# KiCad board Layer0.kicad_pcb (continued)
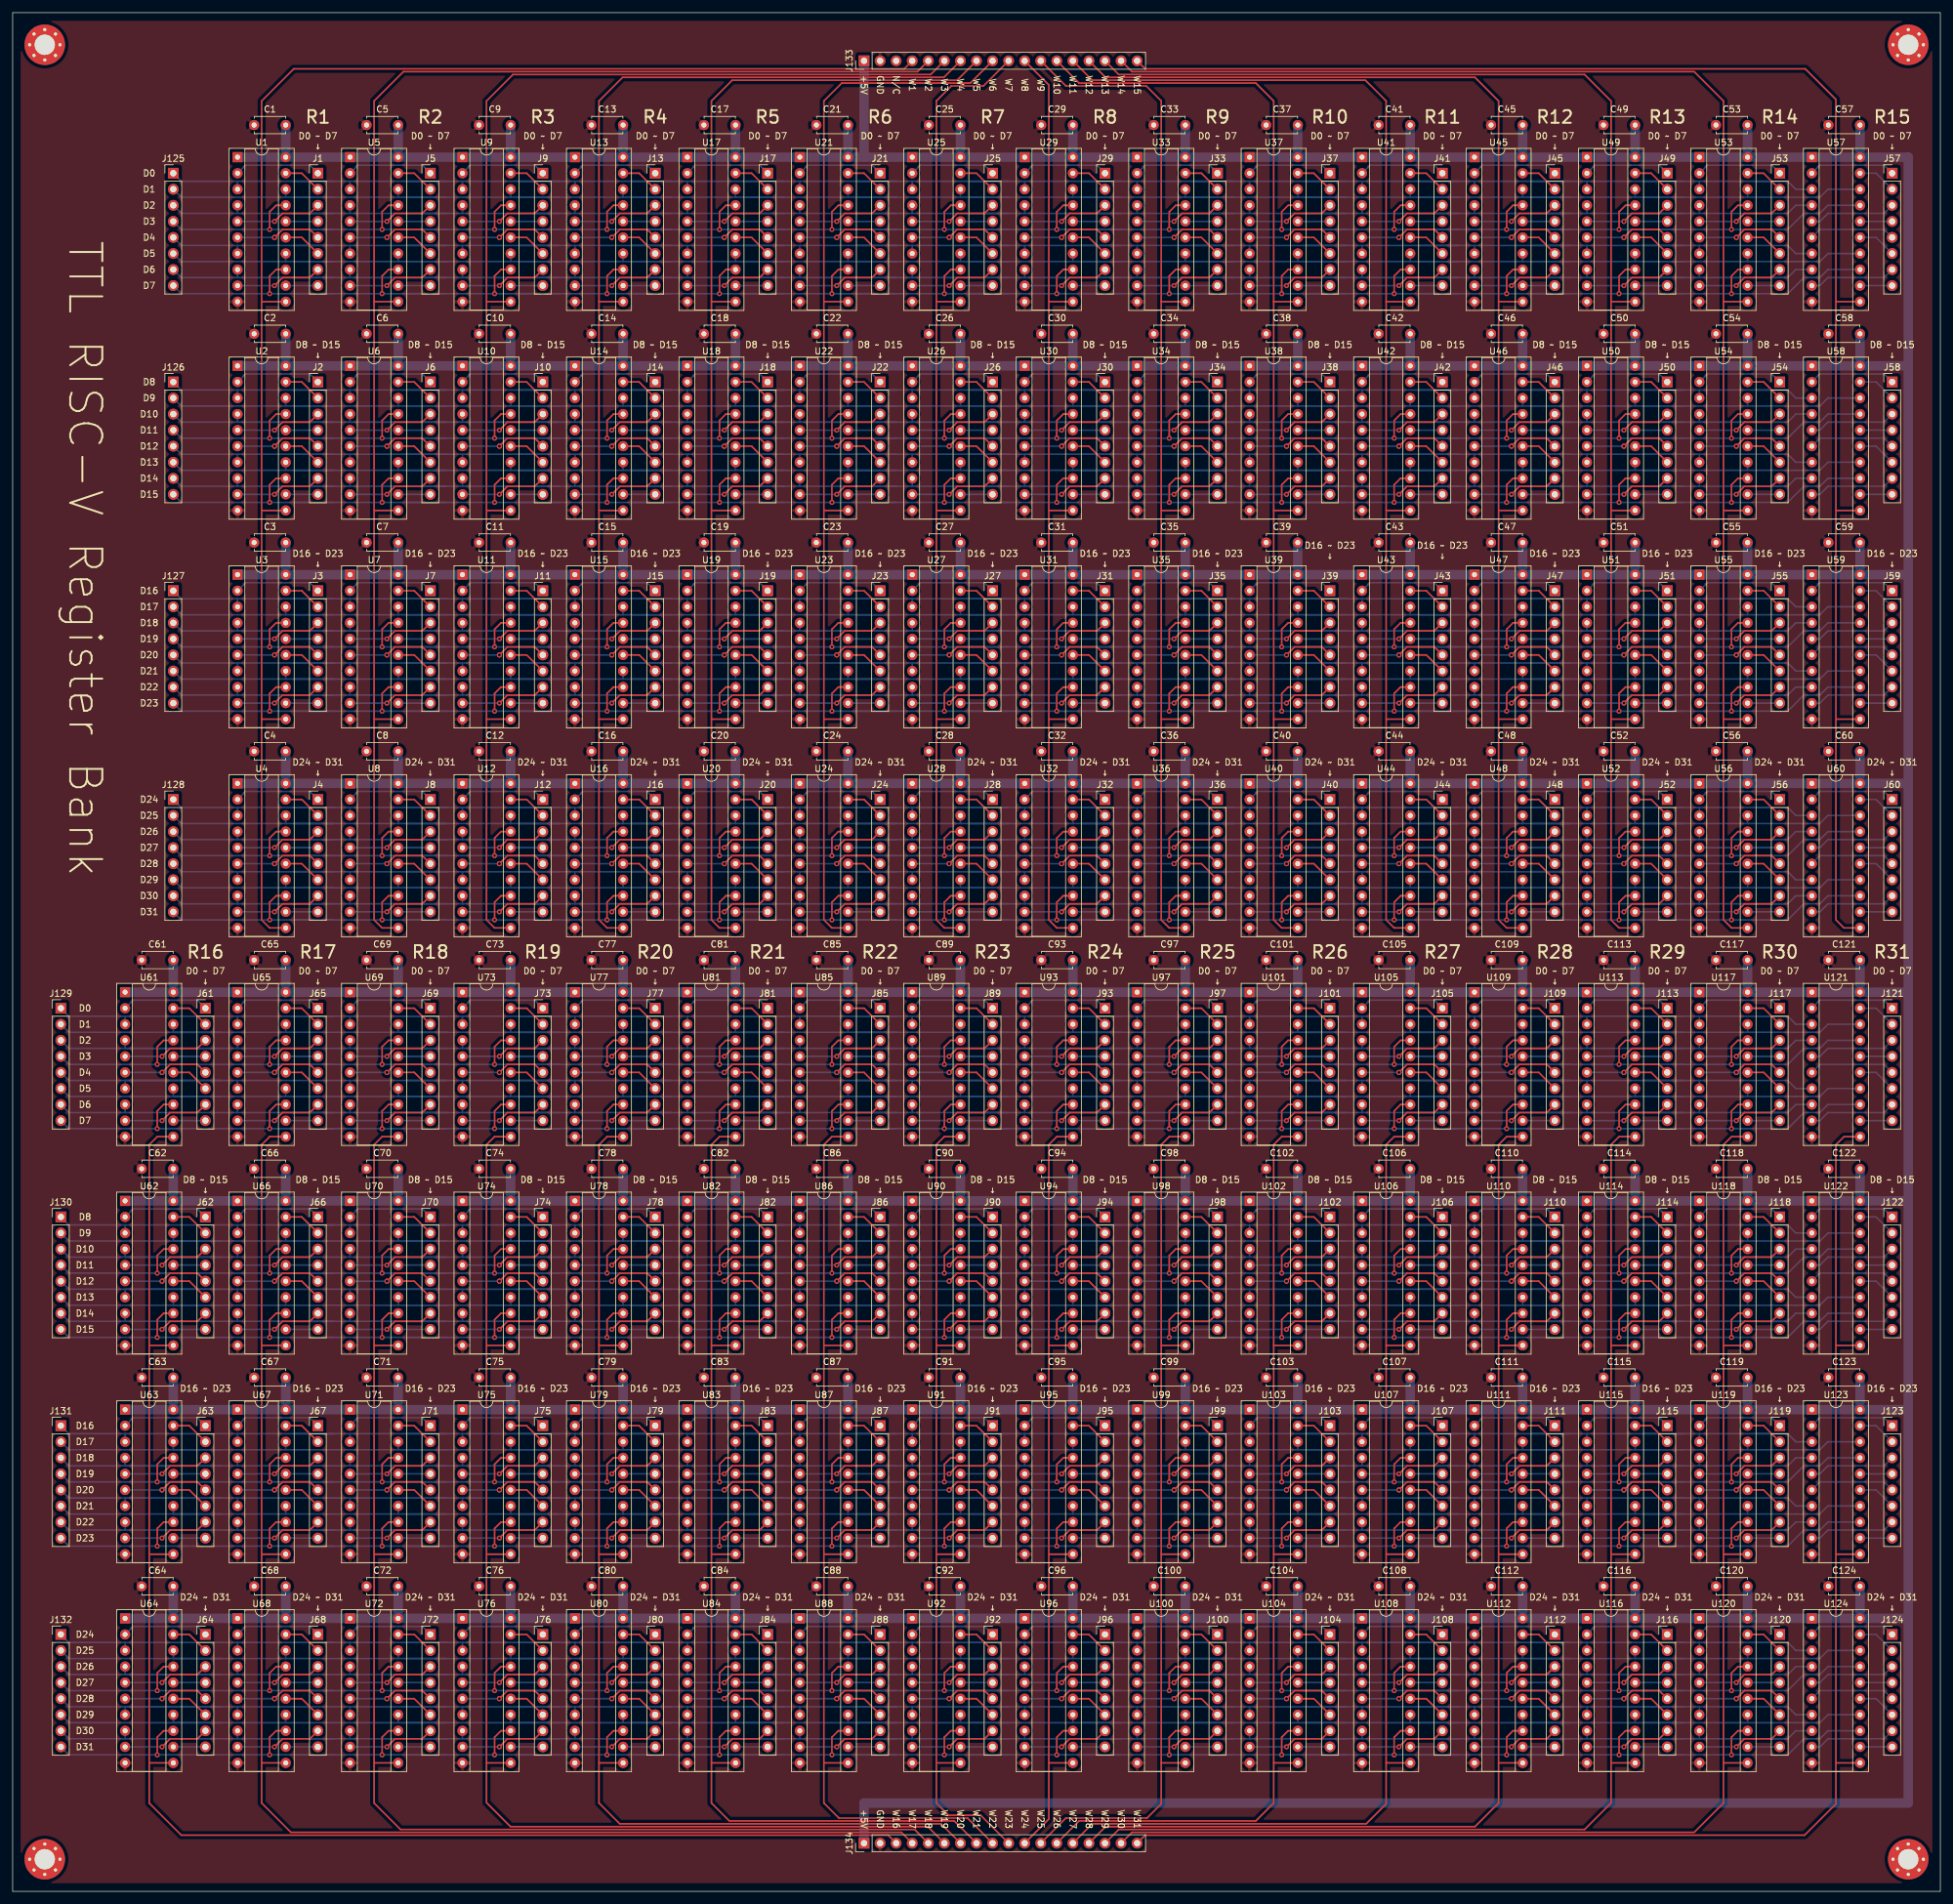
[diagram p0: board, top side]
## Placement (name value [footprint] x y rotation side) (continued)
U2  74LS273  [DIP-20_W7.62mm_Socket]  35.56 241.3 0 top
U3  74LS273  [DIP-20_W7.62mm_Socket]  35.56 208.28 0 top
U4  74LS273  [DIP-20_W7.62mm_Socket]  35.56 175.26 0 top
U5  74LS273  [DIP-20_W7.62mm_Socket]  53.34 274.32 0 top
U6  74LS273  [DIP-20_W7.62mm_Socket]  53.34 241.3 0 top
U7  74LS273  [DIP-20_W7.62mm_Socket]  53.34 208.28 0 top
U8  74LS273  [DIP-20_W7.62mm_Socket]  53.34 175.26 0 top
U9  74LS273  [DIP-20_W7.62mm_Socket]  71.12 274.32 0 top
U10  74LS273  [DIP-20_W7.62mm_Socket]  71.12 241.3 0 top
U11  74LS273  [DIP-20_W7.62mm_Socket]  71.12 208.28 0 top
U12  74LS273  [DIP-20_W7.62mm_Socket]  71.12 175.26 0 top
U13  74LS273  [DIP-20_W7.62mm_Socket]  88.9 274.32 0 top
U14  74LS273  [DIP-20_W7.62mm_Socket]  88.9 241.3 0 top
U15  74LS273  [DIP-20_W7.62mm_Socket]  88.9 208.28 0 top
U16  74LS273  [DIP-20_W7.62mm_Socket]  88.9 175.26 0 top
U17  74LS273  [DIP-20_W7.62mm_Socket]  106.68 274.32 0 top
U18  74LS273  [DIP-20_W7.62mm_Socket]  106.68 241.3 0 top
U19  74LS273  [DIP-20_W7.62mm_Socket]  106.68 208.28 0 top
U20  74LS273  [DIP-20_W7.62mm_Socket]  106.68 175.26 0 top
U21  74LS273  [DIP-20_W7.62mm_Socket]  124.46 274.32 0 top
U22  74LS273  [DIP-20_W7.62mm_Socket]  124.46 241.3 0 top
U23  74LS273  [DIP-20_W7.62mm_Socket]  124.46 208.28 0 top
U24  74LS273  [DIP-20_W7.62mm_Socket]  124.46 175.26 0 top
U25  74LS273  [DIP-20_W7.62mm_Socket]  142.24 274.32 0 top
U26  74LS273  [DIP-20_W7.62mm_Socket]  142.24 241.3 0 top
U27  74LS273  [DIP-20_W7.62mm_Socket]  142.24 208.28 0 top
U28  74LS273  [DIP-20_W7.62mm_Socket]  142.24 175.26 0 top
U29  74LS273  [DIP-20_W7.62mm_Socket]  160.02 274.32 0 top
U30  74LS273  [DIP-20_W7.62mm_Socket]  160.02 241.3 0 top
U31  74LS273  [DIP-20_W7.62mm_Socket]  160.02 208.28 0 top
U32  74LS273  [DIP-20_W7.62mm_Socket]  160.02 175.26 0 top
U33  74LS273  [DIP-20_W7.62mm_Socket]  177.8 274.32 0 top
U34  74LS273  [DIP-20_W7.62mm_Socket]  177.8 241.3 0 top
U35  74LS273  [DIP-20_W7.62mm_Socket]  177.8 208.28 0 top
U36  74LS273  [DIP-20_W7.62mm_Socket]  177.8 175.26 0 top
U37  74LS273  [DIP-20_W7.62mm_Socket]  195.58 274.32 0 top
U38  74LS273  [DIP-20_W7.62mm_Socket]  195.58 241.3 0 top
U39  74LS273  [DIP-20_W7.62mm_Socket]  195.58 208.28 0 top
U40  74LS273  [DIP-20_W7.62mm_Socket]  195.58 175.26 0 top
U41  74LS273  [DIP-20_W7.62mm_Socket]  213.36 274.32 0 top
U42  74LS273  [DIP-20_W7.62mm_Socket]  213.36 241.3 0 top
U43  74LS273  [DIP-20_W7.62mm_Socket]  213.36 208.28 0 top
U44  74LS273  [DIP-20_W7.62mm_Socket]  213.36 175.26 0 top
U45  74LS273  [DIP-20_W7.62mm_Socket]  231.14 274.32 0 top
U46  74LS273  [DIP-20_W7.62mm_Socket]  231.14 241.3 0 top
U47  74LS273  [DIP-20_W7.62mm_Socket]  231.14 208.28 0 top
U48  74LS273  [DIP-20_W7.62mm_Socket]  231.14 175.26 0 top
U49  74LS273  [DIP-20_W7.62mm_Socket]  248.92 274.32 0 top
U50  74LS273  [DIP-20_W7.62mm_Socket]  248.92 241.3 0 top
U51  74LS273  [DIP-20_W7.62mm_Socket]  248.92 208.28 0 top
U52  74LS273  [DIP-20_W7.62mm_Socket]  248.92 175.26 0 top
U53  74LS273  [DIP-20_W7.62mm_Socket]  266.7 274.32 0 top
U54  74LS273  [DIP-20_W7.62mm_Socket]  266.7 241.3 0 top
U55  74LS273  [DIP-20_W7.62mm_Socket]  266.7 208.28 0 top
U56  74LS273  [DIP-20_W7.62mm_Socket]  266.7 175.26 0 top
U57  74LS273  [DIP-20_W7.62mm_Socket]  284.48 274.32 0 top
U58  74LS273  [DIP-20_W7.62mm_Socket]  284.48 241.3 0 top
U59  74LS273  [DIP-20_W7.62mm_Socket]  284.48 208.28 0 top
U60  74LS273  [DIP-20_W7.62mm_Socket]  284.48 175.26 0 top
U61  74LS273  [DIP-20_W7.62mm_Socket]  17.78 142.24 0 top
U62  74LS273  [DIP-20_W7.62mm_Socket]  17.78 109.22 0 top
U63  74LS273  [DIP-20_W7.62mm_Socket]  17.78 76.2 0 top
U64  74LS273  [DIP-20_W7.62mm_Socket]  17.78 43.18 0 top
U65  74LS273  [DIP-20_W7.62mm_Socket]  35.56 142.24 0 top
U66  74LS273  [DIP-20_W7.62mm_Socket]  35.56 109.22 0 top
U67  74LS273  [DIP-20_W7.62mm_Socket]  35.56 76.2 0 top
U68  74LS273  [DIP-20_W7.62mm_Socket]  35.56 43.18 0 top
U69  74LS273  [DIP-20_W7.62mm_Socket]  53.34 142.24 0 top
U70  74LS273  [DIP-20_W7.62mm_Socket]  53.34 109.22 0 top
U71  74LS273  [DIP-20_W7.62mm_Socket]  53.34 76.2 0 top
U72  74LS273  [DIP-20_W7.62mm_Socket]  53.34 43.18 0 top
U73  74LS273  [DIP-20_W7.62mm_Socket]  71.12 142.24 0 top
U74  74LS273  [DIP-20_W7.62mm_Socket]  71.12 109.22 0 top
U75  74LS273  [DIP-20_W7.62mm_Socket]  71.12 76.2 0 top
U76  74LS273  [DIP-20_W7.62mm_Socket]  71.12 43.18 0 top
U77  74LS273  [DIP-20_W7.62mm_Socket]  88.9 142.24 0 top
U78  74LS273  [DIP-20_W7.62mm_Socket]  88.9 109.22 0 top
U79  74LS273  [DIP-20_W7.62mm_Socket]  88.9 76.2 0 top
U80  74LS273  [DIP-20_W7.62mm_Socket]  88.9 43.18 0 top
U81  74LS273  [DIP-20_W7.62mm_Socket]  106.68 142.24 0 top
U82  74LS273  [DIP-20_W7.62mm_Socket]  106.68 109.22 0 top
U83  74LS273  [DIP-20_W7.62mm_Socket]  106.68 76.2 0 top
U84  74LS273  [DIP-20_W7.62mm_Socket]  106.68 43.18 0 top
U85  74LS273  [DIP-20_W7.62mm_Socket]  124.46 142.24 0 top
U86  74LS273  [DIP-20_W7.62mm_Socket]  124.46 109.22 0 top
U87  74LS273  [DIP-20_W7.62mm_Socket]  124.46 76.2 0 top
U88  74LS273  [DIP-20_W7.62mm_Socket]  124.46 43.18 0 top
U89  74LS273  [DIP-20_W7.62mm_Socket]  142.24 142.24 0 top
U90  74LS273  [DIP-20_W7.62mm_Socket]  142.24 109.22 0 top
U91  74LS273  [DIP-20_W7.62mm_Socket]  142.24 76.2 0 top
U92  74LS273  [DIP-20_W7.62mm_Socket]  142.24 43.18 0 top
U93  74LS273  [DIP-20_W7.62mm_Socket]  160.02 142.24 0 top
U94  74LS273  [DIP-20_W7.62mm_Socket]  160.02 109.22 0 top
U95  74LS273  [DIP-20_W7.62mm_Socket]  160.02 76.2 0 top
U96  74LS273  [DIP-20_W7.62mm_Socket]  160.02 43.18 0 top
U97  74LS273  [DIP-20_W7.62mm_Socket]  177.8 142.24 0 top
U98  74LS273  [DIP-20_W7.62mm_Socket]  177.8 109.22 0 top
U99  74LS273  [DIP-20_W7.62mm_Socket]  177.8 76.2 0 top
U100  74LS273  [DIP-20_W7.62mm_Socket]  177.8 43.18 0 top
U101  74LS273  [DIP-20_W7.62mm_Socket]  195.58 142.24 0 top
U102  74LS273  [DIP-20_W7.62mm_Socket]  195.58 109.22 0 top
U103  74LS273  [DIP-20_W7.62mm_Socket]  195.58 76.2 0 top
U104  74LS273  [DIP-20_W7.62mm_Socket]  195.58 43.18 0 top
U105  74LS273  [DIP-20_W7.62mm_Socket]  213.36 142.24 0 top
U106  74LS273  [DIP-20_W7.62mm_Socket]  213.36 109.22 0 top
U107  74LS273  [DIP-20_W7.62mm_Socket]  213.36 76.2 0 top
U108  74LS273  [DIP-20_W7.62mm_Socket]  213.36 43.18 0 top
U109  74LS273  [DIP-20_W7.62mm_Socket]  231.14 142.24 0 top
U110  74LS273  [DIP-20_W7.62mm_Socket]  231.14 109.22 0 top
U111  74LS273  [DIP-20_W7.62mm_Socket]  231.14 76.2 0 top
U112  74LS273  [DIP-20_W7.62mm_Socket]  231.14 43.18 0 top
U113  74LS273  [DIP-20_W7.62mm_Socket]  248.92 142.24 0 top
U114  74LS273  [DIP-20_W7.62mm_Socket]  248.92 109.22 0 top
U115  74LS273  [DIP-20_W7.62mm_Socket]  248.92 76.2 0 top
U116  74LS273  [DIP-20_W7.62mm_Socket]  248.92 43.18 0 top
U117  74LS273  [DIP-20_W7.62mm_Socket]  266.7 142.24 0 top
U118  74LS273  [DIP-20_W7.62mm_Socket]  266.7 109.22 0 top
U119  74LS273  [DIP-20_W7.62mm_Socket]  266.7 76.2 0 top
U120  74LS273  [DIP-20_W7.62mm_Socket]  266.7 43.18 0 top
U121  74LS273  [DIP-20_W7.62mm_Socket]  284.48 142.24 0 top
U122  74LS273  [DIP-20_W7.62mm_Socket]  284.48 109.22 0 top
U123  74LS273  [DIP-20_W7.62mm_Socket]  284.48 76.2 0 top
U124  74LS273  [DIP-20_W7.62mm_Socket]  284.48 43.18 0 top

## Footprints (pads in the part's own frame, mm; a bottom-side part is the same pattern mirrored in y, then rotated)
C_Disc_D4.7mm_W2.5mm_P5.00mm
  round 1.6 hole 0.8: 1(0,0) 2(5,0)
DIP-20_W7.62mm_Socket
  rect 1.6x1.6 hole 0.8: 1(0,0)
  oval 1.6x1.6 hole 0.8: 2(0,-2.54) 3(0,-5.08) 4(0,-7.62) 5(0,-10.16) 6(0,-12.7) 7(0,-15.24) 8(0,-17.78) 9(0,-20.32) 10(0,-22.86) 11(7.62,-22.86) 12(7.62,-20.32) 13(7.62,-17.78) 14(7.62,-15.24) 15(7.62,-12.7) 16(7.62,-10.16) 17(7.62,-7.62) 18(7.62,-5.08) 19(7.62,-2.54) 20(7.62,0)
MountingHole_3.2mm_M3_Pad_Via
  round 0.8 hole 0.5: 1(-2.4,0) 1(-1.697,1.697) 1(-1.697,-1.697) 1(0,2.4) 1(0,-2.4) 1(1.697,1.697) 1(1.697,-1.697) 1(2.4,0)
  round 6.4 hole 3.2: 1(0,0)
PinHeader_1x08_P2.54mm_Vertical
  rect 1.7x1.7 hole 1: 1(0,0)
  oval 1.7x1.7 hole 1: 2(0,-2.54) 3(0,-5.08) 4(0,-7.62) 5(0,-10.16) 6(0,-12.7) 7(0,-15.24) 8(0,-17.78)
PinHeader_1x18_P2.54mm_Vertical
  rect 1.7x1.7 hole 1: 1(0,0)
  oval 1.7x1.7 hole 1: 2(0,-2.54) 3(0,-5.08) 4(0,-7.62) 5(0,-10.16) 6(0,-12.7) 7(0,-15.24) 8(0,-17.78) 9(0,-20.32) 10(0,-22.86) 11(0,-25.4) 12(0,-27.94) 13(0,-30.48) 14(0,-33.02) 15(0,-35.56) 16(0,-38.1) 17(0,-40.64) 18(0,-43.18)

## Nets
+5V: C1.2 C2.2 C3.2 C4.2 C5.2 C6.2 C7.2 C8.2 C9.2 C10.2 C11.2 C12.2 C13.2 C14.2 C15.2 C16.2 C17.2 C18.2 C19.2 C20.2 C21.2 C22.2 C23.2 C24.2 C25.2 C26.2 C27.2 C28.2 C29.2 C30.2 C31.2 C32.2 C33.2 C34.2 C35.2 C36.2 C37.2 C38.2 C39.2 C40.2 C41.2 C42.2 C43.2 C44.2 C45.2 C46.2 C47.2 C48.2 C49.2 C50.2 C51.2 C52.2 C53.2 C54.2 C55.2 C56.2 C57.2 C58.2 C59.2 C60.2 C61.2 C62.2 C63.2 C64.2 C65.2 C66.2 C67.2 C68.2 C69.2 C70.2 C71.2 C72.2 C73.2 C74.2 C75.2 C76.2 C77.2 C78.2 C79.2 C80.2 C81.2 C82.2 C83.2 C84.2 C85.2 C86.2 C87.2 C88.2 C89.2 C90.2 C91.2 C92.2 C93.2 C94.2 C95.2 C96.2 C97.2 C98.2 C99.2 C100.2 C101.2 C102.2 C103.2 C104.2 C105.2 C106.2 C107.2 C108.2 C109.2 C110.2 C111.2 C112.2 C113.2 C114.2 C115.2 C116.2 C117.2 C118.2 C119.2 C120.2 C121.2 C122.2 C123.2 C124.2 J133.1 J134.1 U1.1 U1.20 U2.1 U2.20 U3.1 U3.20 U4.1 U4.20 U5.1 U5.20 U6.1 U6.20 U7.1 U7.20 U8.1 U8.20 U9.1 U9.20 U10.1 U10.20 U11.1 U11.20 U12.1 U12.20 U13.1 U13.20 U14.1 U14.20 U15.1 U15.20 U16.1 U16.20 U17.1 U17.20 U18.1 U18.20 U19.1 U19.20 U20.1 U20.20 U21.1 U21.20 U22.1 U22.20 U23.1 U23.20 U24.1 U24.20 U25.1 U25.20 U26.1 U26.20 U27.1 U27.20 U28.1 U28.20 U29.1 U29.20 U30.1 U30.20 U31.1 U31.20 U32.1 U32.20 U33.1 U33.20 U34.1 U34.20 U35.1 U35.20 U36.1 U36.20 U37.1 U37.20 U38.1 U38.20 U39.1 U39.20 U40.1 U40.20 U41.1 U41.20 U42.1 U42.20 U43.1 U43.20 U44.1 U44.20 U45.1 U45.20 U46.1 U46.20 U47.1 U47.20 U48.1 U48.20 U49.1 U49.20 U50.1 U50.20 U51.1 U51.20 U52.1 U52.20 U53.1 U53.20 U54.1 U54.20 U55.1 U55.20 U56.1 U56.20 U57.1 U57.20 U58.1 U58.20 U59.1 U59.20 U60.1 U60.20 U61.1 U61.20 U62.1 U62.20 U63.1 U63.20 U64.1 U64.20 U65.1 U65.20 U66.1 U66.20 U67.1 U67.20 U68.1 U68.20 U69.1 U69.20 U70.1 U70.20 U71.1 U71.20 U72.1 U72.20 U73.1 U73.20 U74.1 U74.20 U75.1 U75.20 U76.1 U76.20 U77.1 U77.20 U78.1 U78.20 U79.1 U79.20 U80.1 U80.20 U81.1 U81.20 U82.1 U82.20 U83.1 U83.20 U84.1 U84.20 U85.1 U85.20 U86.1 U86.20 U87.1 U87.20 U88.1 U88.20 U89.1 U89.20 U90.1 U90.20 U91.1 U91.20 U92.1 U92.20 U93.1 U93.20 U94.1 U94.20 U95.1 U95.20 U96.1 U96.20 U97.1 U97.20 U98.1 U98.20 U99.1 U99.20 U100.1 U100.20 U101.1 U101.20 U102.1 U102.20 U103.1 U103.20 U104.1 U104.20 U105.1 U105.20 U106.1 U106.20 U107.1 U107.20 U108.1 U108.20 U109.1 U109.20 U110.1 U110.20 U111.1 U111.20 U112.1 U112.20 U113.1 U113.20 U114.1 U114.20 U115.1 U115.20 U116.1 U116.20 U117.1 U117.20 U118.1 U118.20 U119.1 U119.20 U120.1 U120.20 U121.1 U121.20 U122.1 U122.20 U123.1 U123.20 U124.1 U124.20
GND: C1.1 C2.1 C3.1 C4.1 C5.1 C6.1 C7.1 C8.1 C9.1 C10.1 C11.1 C12.1 C13.1 C14.1 C15.1 C16.1 C17.1 C18.1 C19.1 C20.1 C21.1 C22.1 C23.1 C24.1 C25.1 C26.1 C27.1 C28.1 C29.1 C30.1 C31.1 C32.1 C33.1 C34.1 C35.1 C36.1 C37.1 C38.1 C39.1 C40.1 C41.1 C42.1 C43.1 C44.1 C45.1 C46.1 C47.1 C48.1 C49.1 C50.1 C51.1 C52.1 C53.1 C54.1 C55.1 C56.1 C57.1 C58.1 C59.1 C60.1 C61.1 C62.1 C63.1 C64.1 C65.1 C66.1 C67.1 C68.1 C69.1 C70.1 C71.1 C72.1 C73.1 C74.1 C75.1 C76.1 C77.1 C78.1 C79.1 C80.1 C81.1 C82.1 C83.1 C84.1 C85.1 C86.1 C87.1 C88.1 C89.1 C90.1 C91.1 C92.1 C93.1 C94.1 C95.1 C96.1 C97.1 C98.1 C99.1 C100.1 C101.1 C102.1 C103.1 C104.1 C105.1 C106.1 C107.1 C108.1 C109.1 C110.1 C111.1 C112.1 C113.1 C114.1 C115.1 C116.1 C117.1 C118.1 C119.1 C120.1 C121.1 C122.1 C123.1 C124.1 J133.2 J134.2 U1.10 U2.10 U3.10 U4.10 U5.10 U6.10 U7.10 U8.10 U9.10 U10.10 U11.10 U12.10 U13.10 U14.10 U15.10 U16.10 U17.10 U18.10 U19.10 U20.10 U21.10 U22.10 U23.10 U24.10 U25.10 U26.10 U27.10 U28.10 U29.10 U30.10 U31.10 U32.10 U33.10 U34.10 U35.10 U36.10 U37.10 U38.10 U39.10 U40.10 U41.10 U42.10 U43.10 U44.10 U45.10 U46.10 U47.10 U48.10 U49.10 U50.10 U51.10 U52.10 U53.10 U54.10 U55.10 U56.10 U57.10 U58.10 U59.10 U60.10 U61.10 U62.10 U63.10 U64.10 U65.10 U66.10 U67.10 U68.10 U69.10 U70.10 U71.10 U72.10 U73.10 U74.10 U75.10 U76.10 U77.10 U78.10 U79.10 U80.10 U81.10 U82.10 U83.10 U84.10 U85.10 U86.10 U87.10 U88.10 U89.10 U90.10 U91.10 U92.10 U93.10 U94.10 U95.10 U96.10 U97.10 U98.10 U99.10 U100.10 U101.10 U102.10 U103.10 U104.10 U105.10 U106.10 U107.10 U108.10 U109.10 U110.10 U111.10 U112.10 U113.10 U114.10 U115.10 U116.10 U117.10 U118.10 U119.10 U120.10 U121.10 U122.10 U123.10 U124.10
/D_W0_0: J125.1 U1.3 U5.3 U9.3 U13.3 U17.3 U21.3 U25.3 U29.3 U33.3 U37.3 U41.3 U45.3 U49.3 U53.3 U57.3
/D_W0_1: J125.2 U1.18 U5.18 U9.18 U13.18 U17.18 U21.18 U25.18 U29.18 U33.18 U37.18 U41.18 U45.18 U49.18 U53.18 U57.18
/D_W0_2: J125.3 U1.4 U5.4 U9.4 U13.4 U17.4 U21.4 U25.4 U29.4 U33.4 U37.4 U41.4 U45.4 U49.4 U53.4 U57.4
/D_W0_3: J125.4 U1.17 U5.17 U9.17 U13.17 U17.17 U21.17 U25.17 U29.17 U33.17 U37.17 U41.17 U45.17 U49.17 U53.17 U57.17
/D_W0_4: J125.5 U1.7 U5.7 U9.7 U13.7 U17.7 U21.7 U25.7 U29.7 U33.7 U37.7 U41.7 U45.7 U49.7 U53.7 U57.7
/D_W0_5: J125.6 U1.14 U5.14 U9.14 U13.14 U17.14 U21.14 U25.14 U29.14 U33.14 U37.14 U41.14 U45.14 U49.14 U53.14 U57.14
/D_W0_6: J125.7 U1.8 U5.8 U9.8 U13.8 U17.8 U21.8 U25.8 U29.8 U33.8 U37.8 U41.8 U45.8 U49.8 U53.8 U57.8
/D_W0_7: J125.8 U1.13 U5.13 U9.13 U13.13 U17.13 U21.13 U25.13 U29.13 U33.13 U37.13 U41.13 U45.13 U49.13 U53.13 U57.13
/D_W1_0: J126.1 U2.3 U6.3 U10.3 U14.3 U18.3 U22.3 U26.3 U30.3 U34.3 U38.3 U42.3 U46.3 U50.3 U54.3 U58.3
/D_W1_1: J126.2 U2.18 U6.18 U10.18 U14.18 U18.18 U22.18 U26.18 U30.18 U34.18 U38.18 U42.18 U46.18 U50.18 U54.18 U58.18
/D_W1_2: J126.3 U2.4 U6.4 U10.4 U14.4 U18.4 U22.4 U26.4 U30.4 U34.4 U38.4 U42.4 U46.4 U50.4 U54.4 U58.4
/D_W1_3: J126.4 U2.17 U6.17 U10.17 U14.17 U18.17 U22.17 U26.17 U30.17 U34.17 U38.17 U42.17 U46.17 U50.17 U54.17 U58.17
/D_W1_4: J126.5 U2.7 U6.7 U10.7 U14.7 U18.7 U22.7 U26.7 U30.7 U34.7 U38.7 U42.7 U46.7 U50.7 U54.7 U58.7
/D_W1_5: J126.6 U2.14 U6.14 U10.14 U14.14 U18.14 U22.14 U26.14 U30.14 U34.14 U38.14 U42.14 U46.14 U50.14 U54.14 U58.14
/D_W1_6: J126.7 U2.8 U6.8 U10.8 U14.8 U18.8 U22.8 U26.8 U30.8 U34.8 U38.8 U42.8 U46.8 U50.8 U54.8 U58.8
/D_W1_7: J126.8 U2.13 U6.13 U10.13 U14.13 U18.13 U22.13 U26.13 U30.13 U34.13 U38.13 U42.13 U46.13 U50.13 U54.13 U58.13
/D_W2_0: J127.1 U3.3 U7.3 U11.3 U15.3 U19.3 U23.3 U27.3 U31.3 U35.3 U39.3 U43.3 U47.3 U51.3 U55.3 U59.3
/D_W2_1: J127.2 U3.18 U7.18 U11.18 U15.18 U19.18 U23.18 U27.18 U31.18 U35.18 U39.18 U43.18 U47.18 U51.18 U55.18 U59.18
/D_W2_2: J127.3 U3.4 U7.4 U11.4 U15.4 U19.4 U23.4 U27.4 U31.4 U35.4 U39.4 U43.4 U47.4 U51.4 U55.4 U59.4
/D_W2_3: J127.4 U3.17 U7.17 U11.17 U15.17 U19.17 U23.17 U27.17 U31.17 U35.17 U39.17 U43.17 U47.17 U51.17 U55.17 U59.17
/D_W2_4: J127.5 U3.7 U7.7 U11.7 U15.7 U19.7 U23.7 U27.7 U31.7 U35.7 U39.7 U43.7 U47.7 U51.7 U55.7 U59.7
/D_W2_5: J127.6 U3.14 U7.14 U11.14 U15.14 U19.14 U23.14 U27.14 U31.14 U35.14 U39.14 U43.14 U47.14 U51.14 U55.14 U59.14
/D_W2_6: J127.7 U3.8 U7.8 U11.8 U15.8 U19.8 U23.8 U27.8 U31.8 U35.8 U39.8 U43.8 U47.8 U51.8 U55.8 U59.8
/D_W2_7: J127.8 U3.13 U7.13 U11.13 U15.13 U19.13 U23.13 U27.13 U31.13 U35.13 U39.13 U43.13 U47.13 U51.13 U55.13 U59.13
/D_W3_0: J128.1 U4.3 U8.3 U12.3 U16.3 U20.3 U24.3 U28.3 U32.3 U36.3 U40.3 U44.3 U48.3 U52.3 U56.3 U60.3
/D_W3_1: J128.2 U4.18 U8.18 U12.18 U16.18 U20.18 U24.18 U28.18 U32.18 U36.18 U40.18 U44.18 U48.18 U52.18 U56.18 U60.18
/D_W3_2: J128.3 U4.4 U8.4 U12.4 U16.4 U20.4 U24.4 U28.4 U32.4 U36.4 U40.4 U44.4 U48.4 U52.4 U56.4 U60.4
/D_W3_3: J128.4 U4.17 U8.17 U12.17 U16.17 U20.17 U24.17 U28.17 U32.17 U36.17 U40.17 U44.17 U48.17 U52.17 U56.17 U60.17
/D_W3_4: J128.5 U4.7 U8.7 U12.7 U16.7 U20.7 U24.7 U28.7 U32.7 U36.7 U40.7 U44.7 U48.7 U52.7 U56.7 U60.7
/D_W3_5: J128.6 U4.14 U8.14 U12.14 U16.14 U20.14 U24.14 U28.14 U32.14 U36.14 U40.14 U44.14 U48.14 U52.14 U56.14 U60.14
/D_W3_6: J128.7 U4.8 U8.8 U12.8 U16.8 U20.8 U24.8 U28.8 U32.8 U36.8 U40.8 U44.8 U48.8 U52.8 U56.8 U60.8
/D_W3_7: J128.8 U4.13 U8.13 U12.13 U16.13 U20.13 U24.13 U28.13 U32.13 U36.13 U40.13 U44.13 U48.13 U52.13 U56.13 U60.13
/D_W4_0: J129.1 U61.3 U65.3 U69.3 U73.3 U77.3 U81.3 U85.3 U89.3 U93.3 U97.3 U101.3 U105.3 U109.3 U113.3 U117.3 U121.3
/D_W4_1: J129.2 U61.18 U65.18 U69.18 U73.18 U77.18 U81.18 U85.18 U89.18 U93.18 U97.18 U101.18 U105.18 U109.18 U113.18 U117.18 U121.18
/D_W4_2: J129.3 U61.4 U65.4 U69.4 U73.4 U77.4 U81.4 U85.4 U89.4 U93.4 U97.4 U101.4 U105.4 U109.4 U113.4 U117.4 U121.4
/D_W4_3: J129.4 U61.17 U65.17 U69.17 U73.17 U77.17 U81.17 U85.17 U89.17 U93.17 U97.17 U101.17 U105.17 U109.17 U113.17 U117.17 U121.17
/D_W4_4: J129.5 U61.7 U65.7 U69.7 U73.7 U77.7 U81.7 U85.7 U89.7 U93.7 U97.7 U101.7 U105.7 U109.7 U113.7 U117.7 U121.7
/D_W4_5: J129.6 U61.14 U65.14 U69.14 U73.14 U77.14 U81.14 U85.14 U89.14 U93.14 U97.14 U101.14 U105.14 U109.14 U113.14 U117.14 U121.14
/D_W4_6: J129.7 U61.8 U65.8 U69.8 U73.8 U77.8 U81.8 U85.8 U89.8 U93.8 U97.8 U101.8 U105.8 U109.8 U113.8 U117.8 U121.8
/D_W4_7: J129.8 U61.13 U65.13 U69.13 U73.13 U77.13 U81.13 U85.13 U89.13 U93.13 U97.13 U101.13 U105.13 U109.13 U113.13 U117.13 U121.13
/D_W5_0: J130.1 U62.3 U66.3 U70.3 U74.3 U78.3 U82.3 U86.3 U90.3 U94.3 U98.3 U102.3 U106.3 U110.3 U114.3 U118.3 U122.3
/D_W5_1: J130.2 U62.18 U66.18 U70.18 U74.18 U78.18 U82.18 U86.18 U90.18 U94.18 U98.18 U102.18 U106.18 U110.18 U114.18 U118.18 U122.18
/D_W5_2: J130.3 U62.4 U66.4 U70.4 U74.4 U78.4 U82.4 U86.4 U90.4 U94.4 U98.4 U102.4 U106.4 U110.4 U114.4 U118.4 U122.4
/D_W5_3: J130.4 U62.17 U66.17 U70.17 U74.17 U78.17 U82.17 U86.17 U90.17 U94.17 U98.17 U102.17 U106.17 U110.17 U114.17 U118.17 U122.17
/D_W5_4: J130.5 U62.7 U66.7 U70.7 U74.7 U78.7 U82.7 U86.7 U90.7 U94.7 U98.7 U102.7 U106.7 U110.7 U114.7 U118.7 U122.7
/D_W5_5: J130.6 U62.14 U66.14 U70.14 U74.14 U78.14 U82.14 U86.14 U90.14 U94.14 U98.14 U102.14 U106.14 U110.14 U114.14 U118.14 U122.14
/D_W5_6: J130.7 U62.8 U66.8 U70.8 U74.8 U78.8 U82.8 U86.8 U90.8 U94.8 U98.8 U102.8 U106.8 U110.8 U114.8 U118.8 U122.8
/D_W5_7: J130.8 U62.13 U66.13 U70.13 U74.13 U78.13 U82.13 U86.13 U90.13 U94.13 U98.13 U102.13 U106.13 U110.13 U114.13 U118.13 U122.13
/D_W6_0: J131.1 U63.3 U67.3 U71.3 U75.3 U79.3 U83.3 U87.3 U91.3 U95.3 U99.3 U103.3 U107.3 U111.3 U115.3 U119.3 U123.3
/D_W6_1: J131.2 U63.18 U67.18 U71.18 U75.18 U79.18 U83.18 U87.18 U91.18 U95.18 U99.18 U103.18 U107.18 U111.18 U115.18 U119.18 U123.18
/D_W6_2: J131.3 U63.4 U67.4 U71.4 U75.4 U79.4 U83.4 U87.4 U91.4 U95.4 U99.4 U103.4 U107.4 U111.4 U115.4 U119.4 U123.4
/D_W6_3: J131.4 U63.17 U67.17 U71.17 U75.17 U79.17 U83.17 U87.17 U91.17 U95.17 U99.17 U103.17 U107.17 U111.17 U115.17 U119.17 U123.17
/D_W6_4: J131.5 U63.7 U67.7 U71.7 U75.7 U79.7 U83.7 U87.7 U91.7 U95.7 U99.7 U103.7 U107.7 U111.7 U115.7 U119.7 U123.7
/D_W6_5: J131.6 U63.14 U67.14 U71.14 U75.14 U79.14 U83.14 U87.14 U91.14 U95.14 U99.14 U103.14 U107.14 U111.14 U115.14 U119.14 U123.14
/D_W6_6: J131.7 U63.8 U67.8 U71.8 U75.8 U79.8 U83.8 U87.8 U91.8 U95.8 U99.8 U103.8 U107.8 U111.8 U115.8 U119.8 U123.8
/D_W6_7: J131.8 U63.13 U67.13 U71.13 U75.13 U79.13 U83.13 U87.13 U91.13 U95.13 U99.13 U103.13 U107.13 U111.13 U115.13 U119.13 U123.13
/D_W7_0: J132.1 U64.3 U68.3 U72.3 U76.3 U80.3 U84.3 U88.3 U92.3 U96.3 U100.3 U104.3 U108.3 U112.3 U116.3 U120.3 U124.3
/D_W7_1: J132.2 U64.18 U68.18 U72.18 U76.18 U80.18 U84.18 U88.18 U92.18 U96.18 U100.18 U104.18 U108.18 U112.18 U116.18 U120.18 U124.18
/D_W7_2: J132.3 U64.4 U68.4 U72.4 U76.4 U80.4 U84.4 U88.4 U92.4 U96.4 U100.4 U104.4 U108.4 U112.4 U116.4 U120.4 U124.4
/D_W7_3: J132.4 U64.17 U68.17 U72.17 U76.17 U80.17 U84.17 U88.17 U92.17 U96.17 U100.17 U104.17 U108.17 U112.17 U116.17 U120.17 U124.17
/D_W7_4: J132.5 U64.7 U68.7 U72.7 U76.7 U80.7 U84.7 U88.7 U92.7 U96.7 U100.7 U104.7 U108.7 U112.7 U116.7 U120.7 U124.7
/D_W7_5: J132.6 U64.14 U68.14 U72.14 U76.14 U80.14 U84.14 U88.14 U92.14 U96.14 U100.14 U104.14 U108.14 U112.14 U116.14 U120.14 U124.14
/D_W7_6: J132.7 U64.8 U68.8 U72.8 U76.8 U80.8 U84.8 U88.8 U92.8 U96.8 U100.8 U104.8 U108.8 U112.8 U116.8 U120.8 U124.8
/D_W7_7: J132.8 U64.13 U68.13 U72.13 U76.13 U80.13 U84.13 U88.13 U92.13 U96.13 U100.13 U104.13 U108.13 U112.13 U116.13 U120.13 U124.13
/WR_1: J133.4 U1.11 U2.11 U3.11 U4.11
/WR_2: J133.5 U5.11 U6.11 U7.11 U8.11
/WR_3: J133.6 U9.11 U10.11 U11.11 U12.11
/WR_4: J133.7 U13.11 U14.11 U15.11 U16.11
/WR_5: J133.8 U17.11 U18.11 U19.11 U20.11
/WR_6: J133.9 U21.11 U22.11 U23.11 U24.11
/WR_7: J133.10 U25.11 U26.11 U27.11 U28.11
/WR_8: J133.11 U29.11 U30.11 U31.11 U32.11
/WR_9: J133.12 U33.11 U34.11 U35.11 U36.11
/WR_10: J133.13 U37.11 U38.11 U39.11 U40.11
/WR_11: J133.14 U41.11 U42.11 U43.11 U44.11
/WR_12: J133.15 U45.11 U46.11 U47.11 U48.11
/WR_13: J133.16 U49.11 U50.11 U51.11 U52.11
/WR_14: J133.17 U53.11 U54.11 U55.11 U56.11
/WR_15: J133.18 U57.11 U58.11 U59.11 U60.11
/WR_16: J134.3 U61.11 U62.11 U63.11 U64.11
/WR_17: J134.4 U65.11 U66.11 U67.11 U68.11
/WR_18: J134.5 U69.11 U70.11 U71.11 U72.11
/WR_19: J134.6 U73.11 U74.11 U75.11 U76.11
/WR_20: J134.7 U77.11 U78.11 U79.11 U80.11
/WR_21: J134.8 U81.11 U82.11 U83.11 U84.11
/WR_22: J134.9 U85.11 U86.11 U87.11 U88.11
/WR_23: J134.10 U89.11 U90.11 U91.11 U92.11
/WR_24: J134.11 U93.11 U94.11 U95.11 U96.11
/WR_25: J134.12 U97.11 U98.11 U99.11 U100.11
/WR_26: J134.13 U101.11 U102.11 U103.11 U104.11
/WR_27: J134.14 U105.11 U106.11 U107.11 U108.11
/WR_28: J134.15 U109.11 U110.11 U111.11 U112.11
/WR_29: J134.16 U113.11 U114.11 U115.11 U116.11
/WR_30: J134.17 U117.11 U118.11 U119.11 U120.11
/WR_31: J134.18 U121.11 U122.11 U123.11 U124.11
Net-(J1-Pad1): J1.1 U1.2
Net-(J1-Pad2): J1.2 U1.19
Net-(J1-Pad3): J1.3 U1.5
Net-(J1-Pad4): J1.4 U1.16
Net-(J1-Pad5): J1.5 U1.6
Net-(J1-Pad6): J1.6 U1.15
Net-(J1-Pad7): J1.7 U1.9
Net-(J1-Pad8): J1.8 U1.12
Net-(J2-Pad1): J2.1 U2.2
Net-(J2-Pad2): J2.2 U2.19
Net-(J2-Pad3): J2.3 U2.5
Net-(J2-Pad4): J2.4 U2.16
Net-(J2-Pad5): J2.5 U2.6
Net-(J2-Pad6): J2.6 U2.15
Net-(J2-Pad7): J2.7 U2.9
Net-(J2-Pad8): J2.8 U2.12
Net-(J3-Pad1): J3.1 U3.2
Net-(J3-Pad2): J3.2 U3.19
Net-(J3-Pad3): J3.3 U3.5
Net-(J3-Pad4): J3.4 U3.16
Net-(J3-Pad5): J3.5 U3.6
Net-(J3-Pad6): J3.6 U3.15
Net-(J3-Pad7): J3.7 U3.9
Net-(J3-Pad8): J3.8 U3.12
Net-(J4-Pad1): J4.1 U4.2
Net-(J4-Pad2): J4.2 U4.19
Net-(J4-Pad3): J4.3 U4.5
Net-(J4-Pad4): J4.4 U4.16
Net-(J4-Pad5): J4.5 U4.6
Net-(J4-Pad6): J4.6 U4.15
Net-(J4-Pad7): J4.7 U4.9
Net-(J4-Pad8): J4.8 U4.12
Net-(J5-Pad1): J5.1 U5.2
Net-(J5-Pad2): J5.2 U5.19
Net-(J5-Pad3): J5.3 U5.5
Net-(J5-Pad4): J5.4 U5.16
Net-(J5-Pad5): J5.5 U5.6
Net-(J5-Pad6): J5.6 U5.15
Net-(J5-Pad7): J5.7 U5.9
Net-(J5-Pad8): J5.8 U5.12
Net-(J6-Pad1): J6.1 U6.2
Net-(J6-Pad2): J6.2 U6.19
Net-(J6-Pad3): J6.3 U6.5
Net-(J6-Pad4): J6.4 U6.16
Net-(J6-Pad5): J6.5 U6.6
Net-(J6-Pad6): J6.6 U6.15
Net-(J6-Pad7): J6.7 U6.9
Net-(J6-Pad8): J6.8 U6.12
Net-(J7-Pad1): J7.1 U7.2
Net-(J7-Pad2): J7.2 U7.19
Net-(J7-Pad3): J7.3 U7.5
Net-(J7-Pad4): J7.4 U7.16
Net-(J7-Pad5): J7.5 U7.6
Net-(J7-Pad6): J7.6 U7.15
Net-(J7-Pad7): J7.7 U7.9
Net-(J7-Pad8): J7.8 U7.12
Net-(J8-Pad1): J8.1 U8.2
Net-(J8-Pad2): J8.2 U8.19
Net-(J8-Pad3): J8.3 U8.5
Net-(J8-Pad4): J8.4 U8.16
Net-(J8-Pad5): J8.5 U8.6
Net-(J8-Pad6): J8.6 U8.15
Net-(J8-Pad7): J8.7 U8.9
Net-(J8-Pad8): J8.8 U8.12
Net-(J9-Pad1): J9.1 U9.2
Net-(J9-Pad2): J9.2 U9.19
Net-(J9-Pad3): J9.3 U9.5
Net-(J9-Pad4): J9.4 U9.16
Net-(J9-Pad5): J9.5 U9.6
Net-(J9-Pad6): J9.6 U9.15
Net-(J9-Pad7): J9.7 U9.9
Net-(J9-Pad8): J9.8 U9.12
Net-(J10-Pad1): J10.1 U10.2
Net-(J10-Pad2): J10.2 U10.19
Net-(J10-Pad3): J10.3 U10.5
Net-(J10-Pad4): J10.4 U10.16
Net-(J10-Pad5): J10.5 U10.6
Net-(J10-Pad6): J10.6 U10.15
Net-(J10-Pad7): J10.7 U10.9
Net-(J10-Pad8): J10.8 U10.12
Net-(J11-Pad1): J11.1 U11.2
Net-(J11-Pad2): J11.2 U11.19
Net-(J11-Pad3): J11.3 U11.5
Net-(J11-Pad4): J11.4 U11.16
Net-(J11-Pad5): J11.5 U11.6
Net-(J11-Pad6): J11.6 U11.15
Net-(J11-Pad7): J11.7 U11.9
Net-(J11-Pad8): J11.8 U11.12
Net-(J12-Pad1): J12.1 U12.2
Net-(J12-Pad2): J12.2 U12.19
Net-(J12-Pad3): J12.3 U12.5
Net-(J12-Pad4): J12.4 U12.16
Net-(J12-Pad5): J12.5 U12.6
Net-(J12-Pad6): J12.6 U12.15
Net-(J12-Pad7): J12.7 U12.9
Net-(J12-Pad8): J12.8 U12.12
Net-(J13-Pad1): J13.1 U13.2
Net-(J13-Pad2): J13.2 U13.19
Net-(J13-Pad3): J13.3 U13.5
Net-(J13-Pad4): J13.4 U13.16
Net-(J13-Pad5): J13.5 U13.6
Net-(J13-Pad6): J13.6 U13.15
Net-(J13-Pad7): J13.7 U13.9
Net-(J13-Pad8): J13.8 U13.12
Net-(J14-Pad1): J14.1 U14.2
Net-(J14-Pad2): J14.2 U14.19
Net-(J14-Pad3): J14.3 U14.5
Net-(J14-Pad4): J14.4 U14.16
Net-(J14-Pad5): J14.5 U14.6
Net-(J14-Pad6): J14.6 U14.15
Net-(J14-Pad7): J14.7 U14.9
Net-(J14-Pad8): J14.8 U14.12
Net-(J15-Pad1): J15.1 U15.2
Net-(J15-Pad2): J15.2 U15.19
Net-(J15-Pad3): J15.3 U15.5
Net-(J15-Pad4): J15.4 U15.16
Net-(J15-Pad5): J15.5 U15.6
Net-(J15-Pad6): J15.6 U15.15
Net-(J15-Pad7): J15.7 U15.9
Net-(J15-Pad8): J15.8 U15.12
Net-(J16-Pad1): J16.1 U16.2
Net-(J16-Pad2): J16.2 U16.19
Net-(J16-Pad3): J16.3 U16.5
Net-(J16-Pad4): J16.4 U16.16
Net-(J16-Pad5): J16.5 U16.6
Net-(J16-Pad6): J16.6 U16.15
Net-(J16-Pad7): J16.7 U16.9
Net-(J16-Pad8): J16.8 U16.12
Net-(J17-Pad1): J17.1 U17.2
Net-(J17-Pad2): J17.2 U17.19
Net-(J17-Pad3): J17.3 U17.5
Net-(J17-Pad4): J17.4 U17.16
Net-(J17-Pad5): J17.5 U17.6
Net-(J17-Pad6): J17.6 U17.15
Net-(J17-Pad7): J17.7 U17.9
Net-(J17-Pad8): J17.8 U17.12
Net-(J18-Pad1): J18.1 U18.2
Net-(J18-Pad2): J18.2 U18.19
Net-(J18-Pad3): J18.3 U18.5
Net-(J18-Pad4): J18.4 U18.16
Net-(J18-Pad5): J18.5 U18.6
Net-(J18-Pad6): J18.6 U18.15
Net-(J18-Pad7): J18.7 U18.9
Net-(J18-Pad8): J18.8 U18.12
Net-(J19-Pad1): J19.1 U19.2
Net-(J19-Pad2): J19.2 U19.19
Net-(J19-Pad3): J19.3 U19.5
Net-(J19-Pad4): J19.4 U19.16
Net-(J19-Pad5): J19.5 U19.6
Net-(J19-Pad6): J19.6 U19.15
Net-(J19-Pad7): J19.7 U19.9
Net-(J19-Pad8): J19.8 U19.12
Net-(J20-Pad1): J20.1 U20.2
Net-(J20-Pad2): J20.2 U20.19
Net-(J20-Pad3): J20.3 U20.5
Net-(J20-Pad4): J20.4 U20.16
Net-(J20-Pad5): J20.5 U20.6
Net-(J20-Pad6): J20.6 U20.15
Net-(J20-Pad7): J20.7 U20.9
Net-(J20-Pad8): J20.8 U20.12
Net-(J21-Pad1): J21.1 U21.2
Net-(J21-Pad2): J21.2 U21.19
Net-(J21-Pad3): J21.3 U21.5
Net-(J21-Pad4): J21.4 U21.16
Net-(J21-Pad5): J21.5 U21.6
Net-(J21-Pad6): J21.6 U21.15
Net-(J21-Pad7): J21.7 U21.9
Net-(J21-Pad8): J21.8 U21.12
Net-(J22-Pad1): J22.1 U22.2
Net-(J22-Pad2): J22.2 U22.19
Net-(J22-Pad3): J22.3 U22.5
Net-(J22-Pad4): J22.4 U22.16
Net-(J22-Pad5): J22.5 U22.6
Net-(J22-Pad6): J22.6 U22.15
Net-(J22-Pad7): J22.7 U22.9
Net-(J22-Pad8): J22.8 U22.12
Net-(J23-Pad1): J23.1 U23.2
Net-(J23-Pad2): J23.2 U23.19
Net-(J23-Pad3): J23.3 U23.5
Net-(J23-Pad4): J23.4 U23.16
Net-(J23-Pad5): J23.5 U23.6
Net-(J23-Pad6): J23.6 U23.15
Net-(J23-Pad7): J23.7 U23.9
Net-(J23-Pad8): J23.8 U23.12
Net-(J24-Pad1): J24.1 U24.2
Net-(J24-Pad2): J24.2 U24.19
Net-(J24-Pad3): J24.3 U24.5
Net-(J24-Pad4): J24.4 U24.16
Net-(J24-Pad5): J24.5 U24.6
Net-(J24-Pad6): J24.6 U24.15
Net-(J24-Pad7): J24.7 U24.9
Net-(J24-Pad8): J24.8 U24.12
Net-(J25-Pad1): J25.1 U25.2
Net-(J25-Pad2): J25.2 U25.19
Net-(J25-Pad3): J25.3 U25.5
Net-(J25-Pad4): J25.4 U25.16
Net-(J25-Pad5): J25.5 U25.6
Net-(J25-Pad6): J25.6 U25.15
Net-(J25-Pad7): J25.7 U25.9
Net-(J25-Pad8): J25.8 U25.12
Net-(J26-Pad1): J26.1 U26.2
Net-(J26-Pad2): J26.2 U26.19
Net-(J26-Pad3): J26.3 U26.5
Net-(J26-Pad4): J26.4 U26.16
Net-(J26-Pad5): J26.5 U26.6
Net-(J26-Pad6): J26.6 U26.15
Net-(J26-Pad7): J26.7 U26.9
Net-(J26-Pad8): J26.8 U26.12
Net-(J27-Pad1): J27.1 U27.2
Net-(J27-Pad2): J27.2 U27.19
Net-(J27-Pad3): J27.3 U27.5
Net-(J27-Pad4): J27.4 U27.16
Net-(J27-Pad5): J27.5 U27.6
Net-(J27-Pad6): J27.6 U27.15
Net-(J27-Pad7): J27.7 U27.9
Net-(J27-Pad8): J27.8 U27.12
Net-(J28-Pad1): J28.1 U28.2
Net-(J28-Pad2): J28.2 U28.19
Net-(J28-Pad3): J28.3 U28.5
Net-(J28-Pad4): J28.4 U28.16
Net-(J28-Pad5): J28.5 U28.6
Net-(J28-Pad6): J28.6 U28.15
Net-(J28-Pad7): J28.7 U28.9
Net-(J28-Pad8): J28.8 U28.12
Net-(J29-Pad1): J29.1 U29.2
Net-(J29-Pad2): J29.2 U29.19
Net-(J29-Pad3): J29.3 U29.5
Net-(J29-Pad4): J29.4 U29.16
Net-(J29-Pad5): J29.5 U29.6
Net-(J29-Pad6): J29.6 U29.15
Net-(J29-Pad7): J29.7 U29.9
Net-(J29-Pad8): J29.8 U29.12
Net-(J30-Pad1): J30.1 U30.2
Net-(J30-Pad2): J30.2 U30.19
Net-(J30-Pad3): J30.3 U30.5
Net-(J30-Pad4): J30.4 U30.16
Net-(J30-Pad5): J30.5 U30.6
Net-(J30-Pad6): J30.6 U30.15
Net-(J30-Pad7): J30.7 U30.9
Net-(J30-Pad8): J30.8 U30.12
Net-(J31-Pad1): J31.1 U31.2
Net-(J31-Pad2): J31.2 U31.19
Net-(J31-Pad3): J31.3 U31.5
Net-(J31-Pad4): J31.4 U31.16
Net-(J31-Pad5): J31.5 U31.6
Net-(J31-Pad6): J31.6 U31.15
Net-(J31-Pad7): J31.7 U31.9
Net-(J31-Pad8): J31.8 U31.12
Net-(J32-Pad1): J32.1 U32.2
Net-(J32-Pad2): J32.2 U32.19
Net-(J32-Pad3): J32.3 U32.5
Net-(J32-Pad4): J32.4 U32.16
Net-(J32-Pad5): J32.5 U32.6
Net-(J32-Pad6): J32.6 U32.15
Net-(J32-Pad7): J32.7 U32.9
Net-(J32-Pad8): J32.8 U32.12
Net-(J33-Pad1): J33.1 U33.2
Net-(J33-Pad2): J33.2 U33.19
Net-(J33-Pad3): J33.3 U33.5
Net-(J33-Pad4): J33.4 U33.16
Net-(J33-Pad5): J33.5 U33.6
Net-(J33-Pad6): J33.6 U33.15
Net-(J33-Pad7): J33.7 U33.9
Net-(J33-Pad8): J33.8 U33.12
Net-(J34-Pad1): J34.1 U34.2
Net-(J34-Pad2): J34.2 U34.19
Net-(J34-Pad3): J34.3 U34.5
Net-(J34-Pad4): J34.4 U34.16
Net-(J34-Pad5): J34.5 U34.6
Net-(J34-Pad6): J34.6 U34.15
Net-(J34-Pad7): J34.7 U34.9
Net-(J34-Pad8): J34.8 U34.12
Net-(J35-Pad1): J35.1 U35.2
Net-(J35-Pad2): J35.2 U35.19
Net-(J35-Pad3): J35.3 U35.5
Net-(J35-Pad4): J35.4 U35.16
Net-(J35-Pad5): J35.5 U35.6
Net-(J35-Pad6): J35.6 U35.15
Net-(J35-Pad7): J35.7 U35.9
Net-(J35-Pad8): J35.8 U35.12
Net-(J36-Pad1): J36.1 U36.2
Net-(J36-Pad2): J36.2 U36.19
Net-(J36-Pad3): J36.3 U36.5
Net-(J36-Pad4): J36.4 U36.16
Net-(J36-Pad5): J36.5 U36.6
Net-(J36-Pad6): J36.6 U36.15
Net-(J36-Pad7): J36.7 U36.9
Net-(J36-Pad8): J36.8 U36.12
Net-(J37-Pad1): J37.1 U37.2
Net-(J37-Pad2): J37.2 U37.19
Net-(J37-Pad3): J37.3 U37.5
Net-(J37-Pad4): J37.4 U37.16
Net-(J37-Pad5): J37.5 U37.6
Net-(J37-Pad6): J37.6 U37.15
Net-(J37-Pad7): J37.7 U37.9
Net-(J37-Pad8): J37.8 U37.12
Net-(J38-Pad1): J38.1 U38.2
Net-(J38-Pad2): J38.2 U38.19
Net-(J38-Pad3): J38.3 U38.5
Net-(J38-Pad4): J38.4 U38.16
Net-(J38-Pad5): J38.5 U38.6
Net-(J38-Pad6): J38.6 U38.15
Net-(J38-Pad7): J38.7 U38.9
Net-(J38-Pad8): J38.8 U38.12
Net-(J39-Pad1): J39.1 U39.2
Net-(J39-Pad2): J39.2 U39.19
Net-(J39-Pad3): J39.3 U39.5
Net-(J39-Pad4): J39.4 U39.16
Net-(J39-Pad5): J39.5 U39.6
Net-(J39-Pad6): J39.6 U39.15
Net-(J39-Pad7): J39.7 U39.9
Net-(J39-Pad8): J39.8 U39.12
Net-(J40-Pad1): J40.1 U40.2
Net-(J40-Pad2): J40.2 U40.19
Net-(J40-Pad3): J40.3 U40.5
Net-(J40-Pad4): J40.4 U40.16
Net-(J40-Pad5): J40.5 U40.6
Net-(J40-Pad6): J40.6 U40.15
Net-(J40-Pad7): J40.7 U40.9
Net-(J40-Pad8): J40.8 U40.12
Net-(J41-Pad1): J41.1 U41.2
Net-(J41-Pad2): J41.2 U41.19
Net-(J41-Pad3): J41.3 U41.5
Net-(J41-Pad4): J41.4 U41.16
Net-(J41-Pad5): J41.5 U41.6
Net-(J41-Pad6): J41.6 U41.15
Net-(J41-Pad7): J41.7 U41.9
Net-(J41-Pad8): J41.8 U41.12
Net-(J42-Pad1): J42.1 U42.2
Net-(J42-Pad2): J42.2 U42.19
Net-(J42-Pad3): J42.3 U42.5
Net-(J42-Pad4): J42.4 U42.16
Net-(J42-Pad5): J42.5 U42.6
Net-(J42-Pad6): J42.6 U42.15
Net-(J42-Pad7): J42.7 U42.9
Net-(J42-Pad8): J42.8 U42.12
Net-(J43-Pad1): J43.1 U43.2
Net-(J43-Pad2): J43.2 U43.19
Net-(J43-Pad3): J43.3 U43.5
Net-(J43-Pad4): J43.4 U43.16
Net-(J43-Pad5): J43.5 U43.6
Net-(J43-Pad6): J43.6 U43.15
Net-(J43-Pad7): J43.7 U43.9
Net-(J43-Pad8): J43.8 U43.12
Net-(J44-Pad1): J44.1 U44.2
Net-(J44-Pad2): J44.2 U44.19
Net-(J44-Pad3): J44.3 U44.5
Net-(J44-Pad4): J44.4 U44.16
Net-(J44-Pad5): J44.5 U44.6
Net-(J44-Pad6): J44.6 U44.15
Net-(J44-Pad7): J44.7 U44.9
Net-(J44-Pad8): J44.8 U44.12
Net-(J45-Pad1): J45.1 U45.2
Net-(J45-Pad2): J45.2 U45.19
Net-(J45-Pad3): J45.3 U45.5
Net-(J45-Pad4): J45.4 U45.16
Net-(J45-Pad5): J45.5 U45.6
Net-(J45-Pad6): J45.6 U45.15
Net-(J45-Pad7): J45.7 U45.9
Net-(J45-Pad8): J45.8 U45.12
Net-(J46-Pad1): J46.1 U46.2
Net-(J46-Pad2): J46.2 U46.19
Net-(J46-Pad3): J46.3 U46.5
Net-(J46-Pad4): J46.4 U46.16
